# KiCad board panel.kicad_pcb (continued)
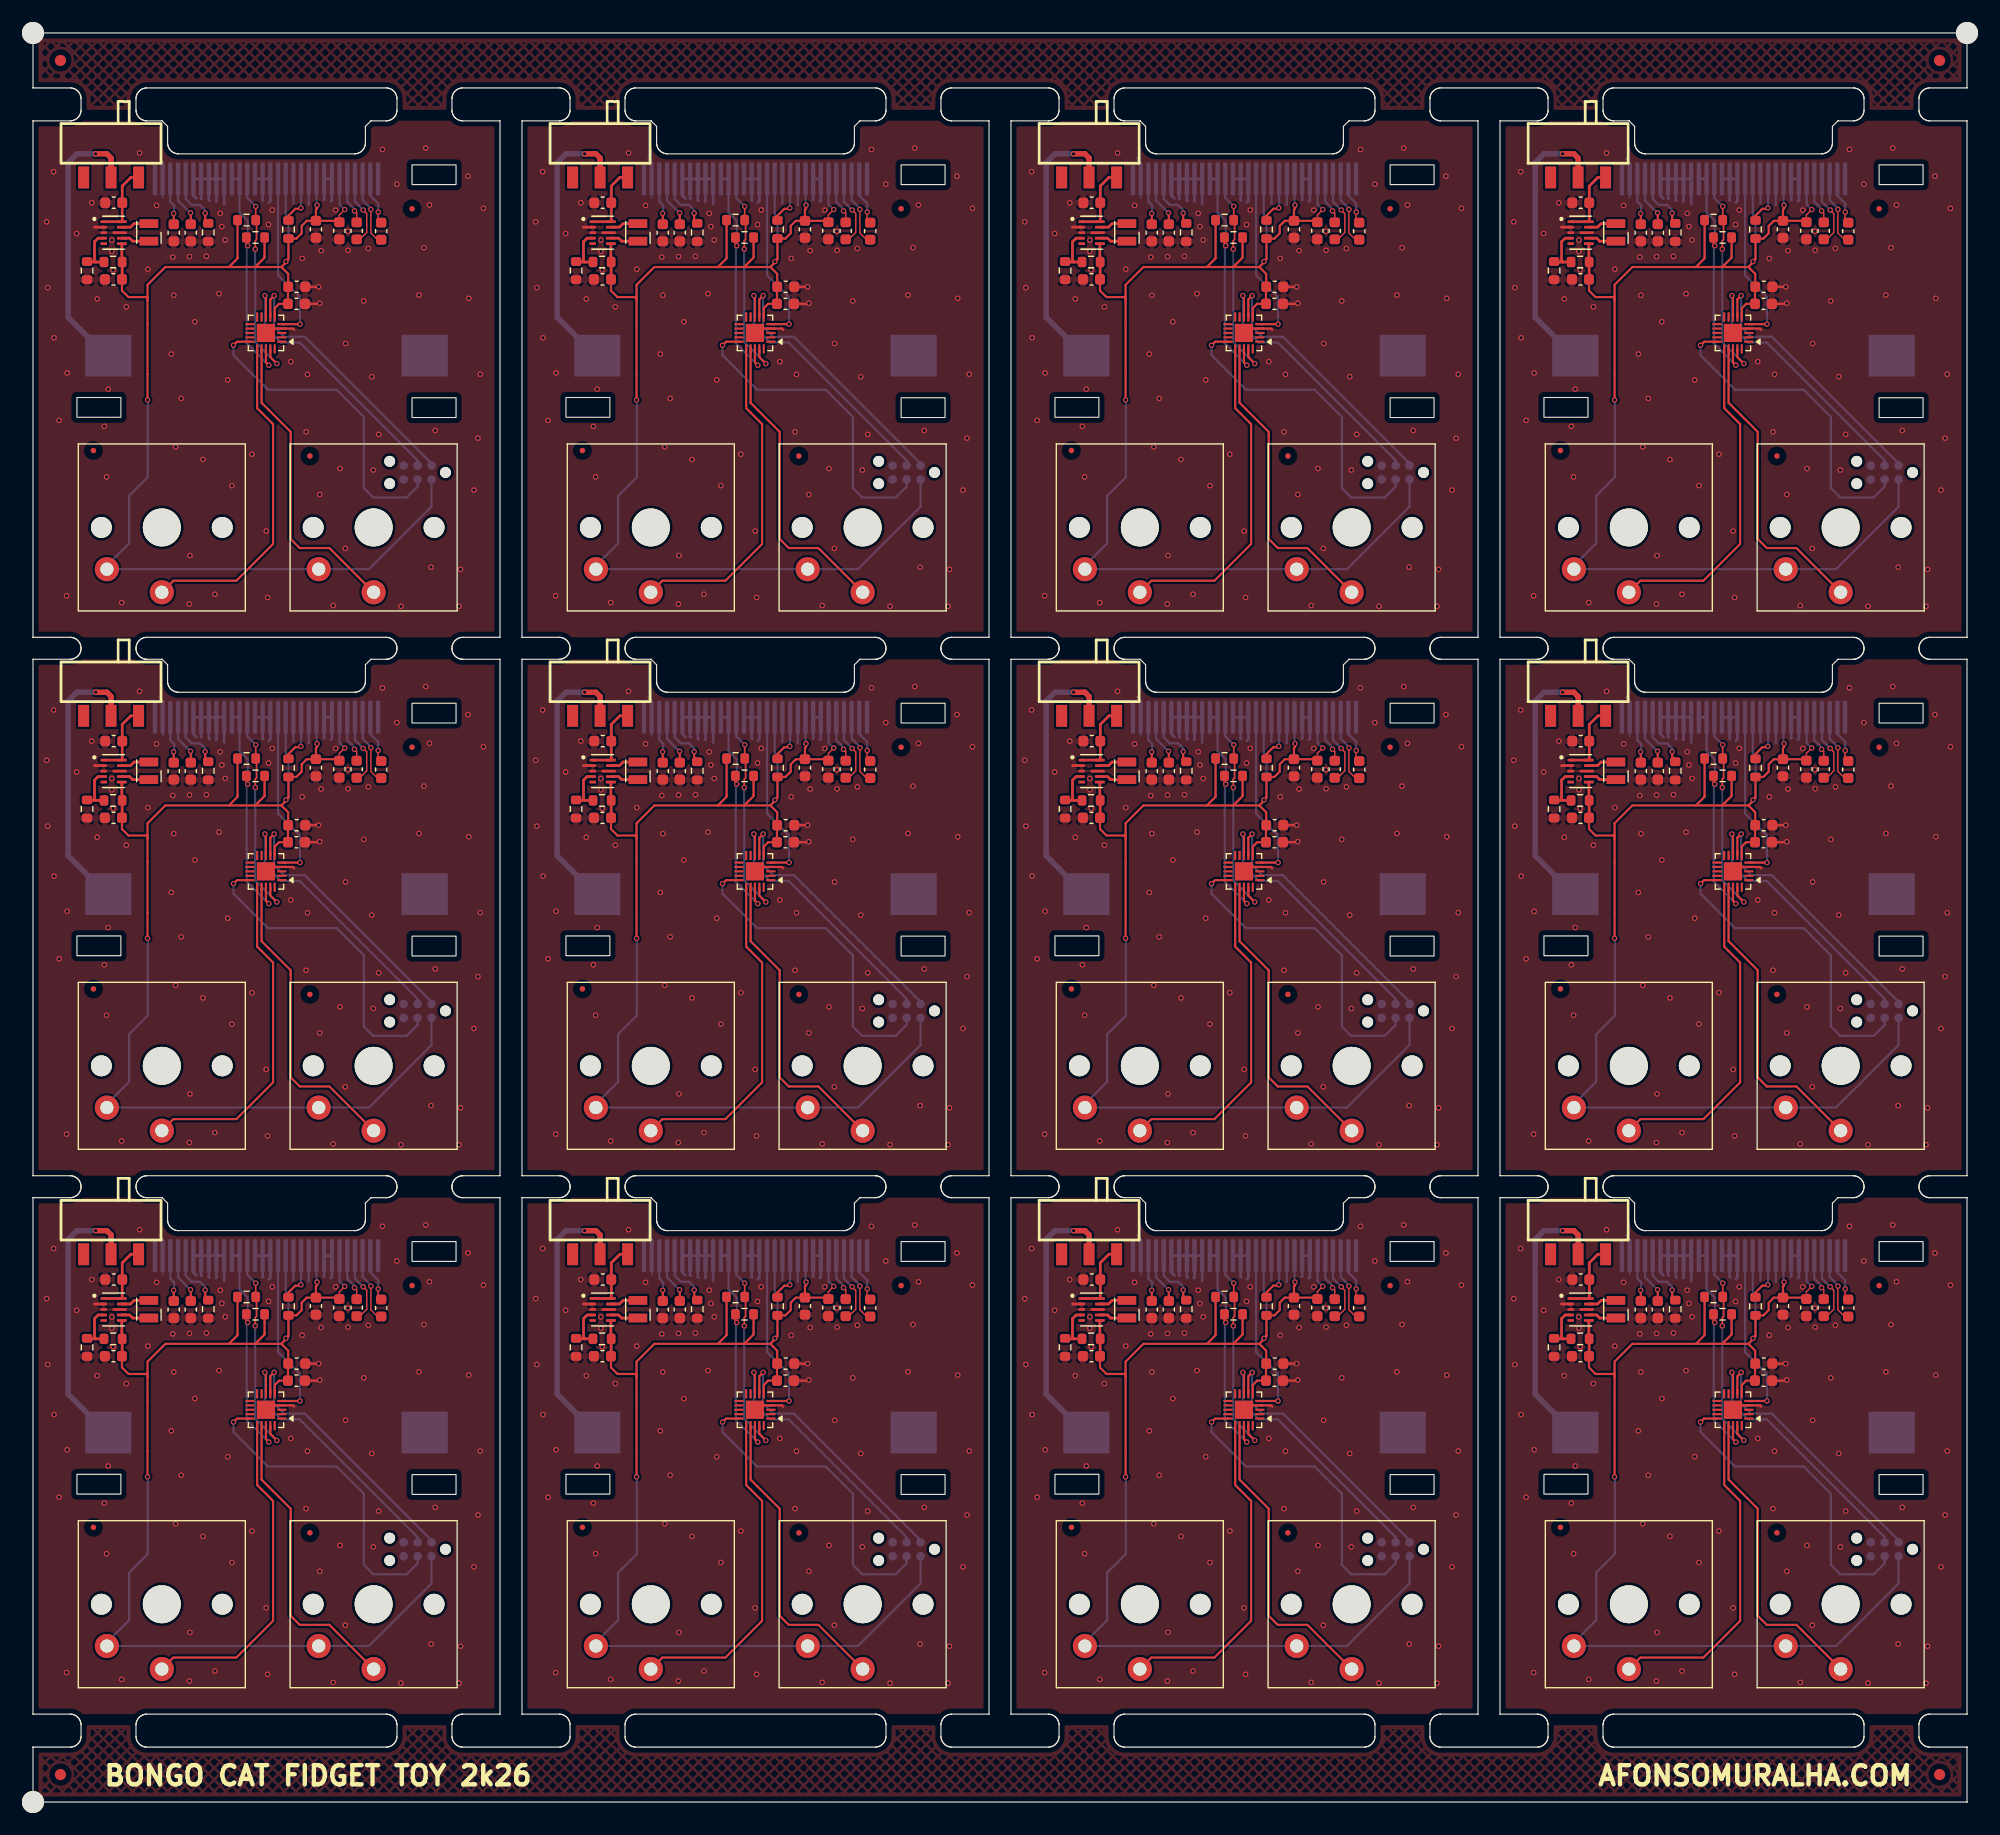
[diagram p0: board, top side]
## Routing (per net, layer and track width the routed paths; a pad name or vN(x,y) marks a point on that pad's centre or on a via; arc(x,y) is an arc through that point) (continued)
  Top w0.2: C12#9.2 147.86,144.61
  Bottom w0.2: J1#11.27 146.7,145.75 147.82,144.63 v1(147.84,144.63)
Board_3-Net-(J1-Pin_28): length 4.3
  Top w0.15: 146.31,144.57 v1(146.3,144.58)
  Top w0.2: C13#6.2 146.31,144.57
  Bottom w0.2: J1#11.28 146,145.65 146.35,145.3 146.35,144.63 v1(146.3,144.58)
Board_3-Net-(SW5-A): length 6.7
  Top w0.25: SW5#5.3 142.4,147.85 141.62,147.08 C1#8.1 141.62,143.86 U101#8.10 U101#8.1
Board_3-Net-(U101-FB): length 4.4
  Top w0.25: R4.1 138.47,140.16 139.22,140.16 ; 139.22,140.16 139.1,140.28 139.1,142 139.43,142.33 U101#8.4 ; 139.22,140.16 R6.2
Board_3-Net-(U101-L1): length 2.6
  Top w0.25: L102#11.1 142.7,143.65 142.38,143.33 U101#8.9
Board_3-Net-(U101-L2): length 2.6
  Top w0.25: U101#8.7 142.3,142.33 142.57,142.05 142.57,142.05 L102#11.2
Board_4-3V3: length 120.2
  Top w0.127: v1(28.37,95.93) 27.88,95.44 C10#6.2 27.88,94.54
  Top w0.2: 10.42,87.65 10.42,89.08 12.05,90.7 17.83,90.7 ; 17.83,90.7 18.61,91.49 R13#7.2 ; 17.83,90.7 20.22,90.7 ; 27.88,94.54 27.79,94.63 ; C11#2.2 24.92,94.91 24.45,94.44 24.45,93.77 23.97,93.29 R101#2.2 ; C11#2.2 25.75,94.89 ; C11#2.2 25.75,95.92 25.85,96.02 v1(25.85,96.33) ; C11#2.2 27.75,94.91 C10#6.2 ; 20.22,90.7 22.6,90.7 ; 20.22,90.7 21.08,91.55 R12#8.2 ; R101#2.2 23.22,93.27 ; R101#2.2 23.25,91.43 v1(23.02,91.2) 23.02,91.12 22.6,90.7 ; 22.6,90.7 23.22,90.08 C3.1 23.2,88.88 C4.1 22.4,87.35 22,86.95 U2#3.6 ; v1(10.42,78.6) 10.42,87.96 8.69,87.96 8.1,88.55 C2#7.1
  Top w0.25: 8.08,89.58 C2#7.1 8.11,89.59 R6#12.1 8.09,91.18 U101#3.6
  Bottom w0.2: v1(28.37,95.93) 27.9,96.4 J1#5.6 ; J1#5.9 25.8,96.38 v1(25.85,96.33) ; J4#11.1 36.27,68.9 30.57,63.2 SW2#8.2 SW1#8.2 6.72,63.53 8.75,65.55 8.75,69.88 10.45,71.58 10.45,78.58 v1(10.42,78.6) ; v1(23.02,91.2) 23.25,91.43 23.25,94.95 23,95.2 J1#5.13
Board_4-/BS1: length 4.5
  Top w0.2: v1(24.38,96.08) 24.3,96 23.88,96 23.25,95.38 R101#2.1
  Bottom w0.2: J1#5.11 24.4,96.45 24.38,96.43 v1(24.38,96.08)
Board_4-/OLED_RST: length 15.7
  Top w0.2: U2#3.5 v1(24.3,85.5)
  Bottom w0.2: v1(24.3,85.5) 24.3,87.95 22.3,89.95 J1#5.14
Board_4-/RST: length 29.5
  Top w0.2: U2#3.15 18.57,83.9 v1(18.25,83.58)
  Bottom w0.2: J4#11.3 35,70.72 34.01,69.73 30.96,69.73 30.11,70.58 30.11,77.06 27.64,79.53 21.39,79.53 18.25,82.67 v1(18.25,83.58)
Board_4-/SCL: length 19.8
  Top w0.127: v1(20.23,92.33) 20.15,92.41
  Top w0.152: v1(20.27,96.22) 20.27,95.06 20.34,94.98 20.34,93.21 20.23,93.09 v1(20.23,92.33)
  Top w0.2: v1(22.19,81.91) 21.6,82.5 U2#3.19
  Bottom w0.15: 20.2,92.45 20.22,92.43
  Bottom w0.2: v1(22.19,81.91) 20.23,83.87 v1(20.23,92.33) ; J1#5.18 19.5,96.99 v1(20.27,96.22)
Board_4-/SDA: length 21.4
  Top w0.127: 19.55,93.56 19.64,93.65
  Top w0.152: v1(19.54,92.64) 19.42,92.76 R12#8.1
  Top w0.2: U2#3.18 21.2,82.02 v1(21.46,81.76)
  Bottom w0.127: 19.52,92.63 19.5,92.65
  Bottom w0.2: v1(19.54,92.64) 19.45,92.55 19.45,83.77 v1(21.46,81.76) ; v1(19.54,92.64) 19.54,94.91 18.8,95.65 J1#5.19 ; v1(19.54,92.64) 19.54,92.59
  Bottom w0.25: J1#5.20 J1#5.19
Board_4-/SW1: length 30.3
  Top w0.2: SW1#8.1 12.78,62.15 18.51,62.15 21.85,65.49 21.85,76.4 20.4,77.85 U2#3.16
Board_4-/SW2: length 28
  Top w0.2: U2#3.17 20.8,78.35 23.45,75.7 23.45,65.95 24.28,65.13 26.97,65.13 SW2#8.1
Board_4-/SWCLK: length 24.2
  Top w0.2: U2#3.8 21.2,88 v1(21.1,88.1)
  Bottom w0.2: J4#11.4 35,73.1 24.28,83.83 22.58,83.83 21.1,85.3 v1(21.1,88.1)
Board_4-/SWDIO: length 24.6
  Top w0.2: U2#3.7 21.6,87.75 v1(21.95,88.1)
  Bottom w0.2: J4#11.2 36.27,72.82 24.74,84.35 22.85,84.35 21.95,85.25 v1(21.95,88.1)
Board_4-GND: length 38.1
  Top w0.2: C3.2 v1(26,88.9) ; C4.2 26.05,87.35 v1(26.1,87.4) ; U2#3.21 21.6,85.1 U2#3.4 23.65,85.1 23.77,84.98
  Top w0.25: 6.5,89.39 6.58,89.31 ; 5.6,94.33 U101#3.2
  Bottom w0.127: 28.51,92.22 28.6,92.31 ; 11.45,100.6 11.8,100.25 11.8,97
  Bottom w0.2: J1#5.12 23.7,96.53 23.67,96.5 ; 25.08,96.35 25.1,96.38 J1#5.10
  Bottom w0.25: 16.65,96.68 16.7,96.73 J1#5.22 ; 27.1,96.68 27.2,96.78 J1#5.7 J1#5.8 26.5,96.83 26.47,96.8 ; J1#5.23 J1#5.22 ; J1#5.23 16,96.8 16.08,96.73 ; J1#5.23 J1#5.24 ; J1#5.22 J1#5.21 17.4,96.43 ; J1#5.24 J1#5.25 14.6,97.2 14.88,96.93 ; J1#5.24 15.3,96.95 15.35,96.9 ; J1#5.16 20.9,96.8 20.95,96.75 ; J1#5.16 J1#5.15 21.6,96.73 21.45,96.58 ; J1#5.16 J1#5.17
  vias: v1(1.25,94.81) v1(1.35,88.82) v1(1.88,99.38) v1(1.92,84.26) v1(2.38,76.74) v1(3.11,81.06) v1(3.06,60.78) v1(3.97,93.75) v1(5.35,96.55) v1(5.85,87.8) v1(6.49,76.2) v1(6.7,71.6) v1(6.85,79.58) v1(7.17,93.15) v1(7.17,92.13) v1(7.3,90.43) v1(8.07,60.16) v1(8.5,87.08) v1(9.7,101.08) v1(10.45,90.5) v1(11.25,96.3) v1(12.59,82.78) v1(12.72,91.6) v1(12.82,88.13) v1(12.99,74.33) v1(13.49,78.74) v1(14.23,60.02) v1(14.25,91.65) v1(14.29,64.44) v1(14.73,85.72) v1(15.47,73.18) v1(15.78,91.68) v1(16.56,60.92) v1(16.93,88.27) v1(17.04,95.58) v1(17.19,94.38) v1(17.49,93.16) v1(17.72,80.43) v1(18.1,70.8) v1(19.92,73.66) v1(21.22,66.67) v1(21.35,60.62) v1(21.44,94.56) v1(21.77,95.89) v1(23.46,82.09) v1(24.5,91.48) v1(24.85,75.7) v1(24.98,80.93) v1(26.1,70) v1(26.22,92.19) v1(27.32,59.89) v1(27.55,95.88) v1(27.94,72.36) v1(28.42,65.09) v1(28.45,83.74) v1(28.65,93.95) v1(28.68,92.22) v1(30.1,87.61) v1(30.52,92.39) v1(30.83,80.72) v1(30.97,72.22) v1(31.46,75.47) v1(31.8,101.4) v1(33.11,98.24) v1(33.49,59.82) v1(35.12,88.15) v1(35.58,92.46) v1(35.74,101.52) v1(36.08,96.35) v1(36.23,63.38) v1(36.61,75.82) v1(38.77,59.82) v1(38.91,63.18) v1(39.58,98.97) v1(39.66,87.85) v1(40.12,70.4) v1(40.5,75.12) v1(40.7,80.94) v1(40.99,96.04)
Board_4-Net-(BT1-+): length 25.3
  Top w0.5: v1(5.7,101) 6.72,101 7.11,100.62 SW5#11.2
  Bottom w0.5: v1(5.7,101) 4,101 3.2,100.2 3.2,86.12 6.69,82.63 BT1#12.1
Board_4-Net-(J1-Pin_2): length 4.3
  Top w0.127: v1(31.42,95.7) 31.4,95.68 31.4,94.73
  Bottom w0.2: v1(31.42,95.7) 31.42,96.48 30.7,97.2 J1#5.2
Board_4-Net-(J1-Pin_3): length 6.4
  Top w0.127: v1(30.75,95.95) 30.75,93.79 31.36,93.19 C9#10.1
  Bottom w0.2: v1(30.75,95.95) 30.75,96.04 30,96.79 J1#5.3
Board_4-Net-(J1-Pin_4): length 6.5
  Top w0.127: C8#10.2 29.75,93.22 30.37,93.84 30.37,95.57 v1(30.05,95.89)
  Bottom w0.2: J1#5.4 29.3,96.65 30.05,95.9 v1(30.05,95.89)
Board_4-Net-(J1-Pin_5): length 4.3
  Top w0.127: C8#10.1 29.46,95.61 v1(29.26,95.81)
  Bottom w0.2: v1(29.26,95.81) 29.26,95.99 28.6,96.65 J1#5.5
Board_4-Net-(J1-Pin_26): length 5
  Top w0.15: 15.67,94.9 15.65,94.88
  Top w0.2: v1(15.67,95.6) 15.67,94.9
  Bottom w0.2: v1(15.67,95.6) 15.67,95.88 15.2,96.35 14.45,96.35 13.9,96.9 J1#5.26
Board_4-Net-(J1-Pin_27): length 4.6
  Top w0.15: 14.36,95.61 v1(14.34,95.63)
  Top w0.2: C12#4.2 14.36,95.61
  Bottom w0.2: v1(14.34,95.63) 14.32,95.63 13.2,96.75 J1#5.27
Board_4-Net-(J1-Pin_28): length 4.3
  Top w0.15: 12.81,95.57 v1(12.8,95.58)
  Top w0.2: C13#8.2 12.81,95.57
  Bottom w0.2: v1(12.8,95.58) 12.85,95.63 12.85,96.3 12.5,96.65 J1#5.28
Board_4-Net-(SW5-A): length 6.7
  Top w0.25: SW5#11.3 8.9,98.85 8.12,98.08 C1#5.1 8.12,94.86 U101#3.10 U101#3.1
Board_4-Net-(U101-FB): length 4.4
  Top w0.25: R6#12.2 5.72,91.16 ; 5.72,91.16 4.97,91.16 R4#9.1 ; 5.72,91.16 5.6,91.28 5.6,93 5.92,93.33 U101#3.4
Board_4-Net-(U101-L1): length 2.6
  Top w0.25: U101#3.9 8.88,94.33 9.2,94.65 L102#8.1
Board_4-Net-(U101-L2): length 2.6
  Top w0.25: U101#3.7 8.8,93.33 9.08,93.05 9.07,93.05 L102#8.2
Board_5-3V3: length 120.2
  Top w0.127: v1(72.87,95.93) 72.38,95.44 C10#2.2 72.38,94.54
  Top w0.2: R101#11.2 68.47,93.29 68.95,93.77 68.95,94.44 69.41,94.91 C11#11.2 ; R101#11.2 67.75,91.43 v1(67.52,91.2) 67.52,91.12 67.1,90.7 ; R101#11.2 67.72,93.27 ; v1(54.92,78.6) 54.92,87.96 53.19,87.96 52.6,88.55 C2#6.1 ; 54.92,87.65 54.92,89.08 56.55,90.7 62.33,90.7 ; C11#11.2 70.25,94.89 ; C11#11.2 72.25,94.91 C10#2.2 ; C11#11.2 70.25,95.92 70.35,96.02 v1(70.35,96.33) ; 64.72,90.7 67.1,90.7 ; 64.72,90.7 62.33,90.7 ; 64.72,90.7 65.58,91.55 R12#10.2 ; 67.1,90.7 67.72,90.08 C3#11.1 67.7,88.88 C4#11.1 66.9,87.35 66.5,86.95 U2#12.6 ; 72.38,94.54 72.29,94.63 ; 62.33,90.7 63.11,91.49 R13#6.2
  Top w0.25: 52.58,89.58 C2#6.1 52.61,89.59 R6#5.1 52.59,91.18 U101#6.6
  Bottom w0.2: J1#2.6 72.4,96.4 v1(72.87,95.93) ; v1(54.92,78.6) 54.95,78.58 54.95,71.58 53.25,69.88 53.25,65.55 51.22,63.53 SW1#5.2 SW2.2 75.07,63.2 80.77,68.9 J4#3.1 ; v1(70.35,96.33) 70.3,96.38 J1#2.9 ; J1#2.13 67.5,95.2 67.75,94.95 67.75,91.43 v1(67.52,91.2)
Board_5-/BS1: length 4.5
  Top w0.2: v1(68.88,96.08) 68.8,96 68.38,96 67.75,95.38 R101#11.1
  Bottom w0.2: v1(68.88,96.08) 68.88,96.43 68.9,96.45 J1#2.11
Board_5-/OLED_RST: length 15.7
  Top w0.2: U2#12.5 v1(68.8,85.5)
  Bottom w0.2: v1(68.8,85.5) 68.8,87.95 66.8,89.95 J1#2.14
Board_5-/RST: length 29.5
  Top w0.2: U2#12.15 63.07,83.9 v1(62.75,83.58)
  Bottom w0.2: v1(62.75,83.58) 62.75,82.67 65.89,79.53 72.14,79.53 74.61,77.06 74.61,70.58 75.46,69.73 78.51,69.73 79.5,70.72 J4#3.3
Board_5-/SCL: length 19.8
  Top w0.127: v1(64.73,92.33) 64.65,92.41
  Top w0.152: v1(64.73,92.33) 64.73,93.09 64.84,93.21 64.84,94.98 64.77,95.06 v1(64.77,96.22)
  Top w0.2: U2#12.19 66.1,82.5 v1(66.69,81.91)
  Bottom w0.15: 64.7,92.45 64.72,92.43
  Bottom w0.2: v1(66.69,81.91) 64.73,83.87 v1(64.73,92.33) ; J1#2.18 64,96.99 v1(64.77,96.22)
Board_5-/SDA: length 21.4
  Top w0.127: 64.05,93.56 64.14,93.65
  Top w0.152: R12#10.1 63.92,92.76 v1(64.04,92.64)
  Top w0.2: v1(65.96,81.76) 65.7,82.02 U2#12.18
  Bottom w0.127: 64.02,92.63 64,92.65
  Bottom w0.2: 64.04,92.59 v1(64.04,92.64) ; v1(64.04,92.64) 64.04,94.91 63.3,95.65 J1#2.19 ; v1(64.04,92.64) 63.95,92.55 63.95,83.77 v1(65.96,81.76)
  Bottom w0.25: J1#2.20 J1#2.19
Board_5-/SW1: length 30.3
  Top w0.2: U2#12.16 64.9,77.85 66.35,76.4 66.35,65.49 63.01,62.15 57.28,62.15 SW1#5.1
Board_5-/SW2: length 28
  Top w0.2: U2#12.17 65.3,78.35 67.95,75.7 67.95,65.95 68.78,65.13 71.47,65.13 SW2.1
Board_5-/SWCLK: length 24.2
  Top w0.2: U2#12.8 65.7,88 v1(65.6,88.1)
  Bottom w0.2: v1(65.6,88.1) 65.6,85.3 67.08,83.83 68.78,83.83 79.5,73.1 J4#3.4
Board_5-/SWDIO: length 24.6
  Top w0.2: U2#12.7 66.1,87.75 v1(66.45,88.1)
  Bottom w0.2: J4#3.2 80.77,72.82 69.24,84.35 67.35,84.35 66.45,85.25 v1(66.45,88.1)
Board_5-GND: length 38.1
  Top w0.2: C3#11.2 v1(70.5,88.9) ; C4#11.2 70.55,87.35 v1(70.6,87.4) ; U2#12.21 66.1,85.1 U2#12.4 68.15,85.1 68.27,84.98
  Top w0.25: 51,89.39 51.08,89.31 ; 50.1,94.33 U101#6.2
  Bottom w0.127: 56.3,97 56.3,100.25 55.95,100.6 ; 73.01,92.22 73.1,92.31
  Bottom w0.2: 68.18,96.5 68.2,96.53 J1#2.12 ; 69.57,96.35 69.6,96.38 J1#2.10
  Bottom w0.25: 71.6,96.68 71.7,96.78 J1#2.7 J1#2.8 71,96.83 70.97,96.8 ; J1#2.22 61.2,96.73 61.15,96.68 ; J1#2.22 J1#2.21 61.9,96.43 ; J1#2.22 J1#2.23 ; 59.85,96.9 59.8,96.95 J1#2.24 ; J1#2.24 J1#2.25 59.1,97.2 59.38,96.93 ; J1#2.24 J1#2.23 ; 65.95,96.58 66.1,96.73 J1#2.15 J1#2.16 ; J1#2.16 65.4,96.8 65.45,96.75 ; J1#2.16 J1#2.17 ; J1#2.23 60.5,96.8 60.58,96.73
  vias: v1(45.75,94.81) v1(45.85,88.82) v1(46.38,99.38) v1(46.42,84.26) v1(46.88,76.74) v1(47.61,81.06) v1(47.56,60.78) v1(48.47,93.75) v1(49.85,96.55) v1(50.35,87.8) v1(50.99,76.2) v1(51.2,71.6) v1(51.35,79.58) v1(51.67,93.15) v1(51.67,92.13) v1(51.8,90.43) v1(52.57,60.16) v1(53,87.08) v1(54.2,101.08) v1(54.95,90.5) v1(55.75,96.3) v1(57.09,82.78) v1(57.22,91.6) v1(57.32,88.13) v1(57.49,74.33) v1(57.99,78.74) v1(58.75,91.65) v1(58.73,60.02) v1(58.79,64.44) v1(59.23,85.72) v1(59.97,73.18) v1(60.28,91.68) v1(61.06,60.92) v1(61.43,88.27) v1(61.54,95.58) v1(61.69,94.38) v1(61.99,93.16) v1(62.22,80.43) v1(62.6,70.8) v1(64.42,73.66) v1(65.72,66.67) v1(65.85,60.62) v1(65.94,94.56) v1(66.27,95.89) v1(67.96,82.09) v1(69,91.48) v1(69.35,75.7) v1(69.48,80.93) v1(70.6,70) v1(70.72,92.19) v1(71.82,59.89) v1(72.05,95.88) v1(72.44,72.36) v1(72.95,83.74) v1(72.92,65.09) v1(73.15,93.95) v1(73.18,92.22) v1(74.6,87.61) v1(75.02,92.39) v1(75.33,80.72) v1(75.47,72.22) v1(75.96,75.47) v1(76.3,101.4) v1(77.61,98.24) v1(77.99,59.82) v1(79.62,88.15) v1(80.08,92.46) v1(80.24,101.52) v1(80.58,96.35) v1(80.73,63.38) v1(81.11,75.82) v1(83.27,59.82) v1(83.41,63.18) v1(84.08,98.97) v1(84.16,87.85) v1(84.62,70.4) v1(85,75.12) v1(85.2,80.94) v1(85.49,96.04)
Board_5-Net-(BT1-+): length 25.3
  Top w0.5: v1(50.2,101) 51.22,101 51.61,100.62 SW5#8.2
  Bottom w0.5: v1(50.2,101) 48.5,101 47.7,100.2 47.7,86.12 51.19,82.63 BT1.1
Board_5-Net-(J1-Pin_2): length 4.3
  Top w0.127: v1(75.92,95.7) 75.9,95.68 75.9,94.73
  Bottom w0.2: J1#2.2 75.2,97.2 75.92,96.48 v1(75.92,95.7)
Board_5-Net-(J1-Pin_3): length 6.4
  Top w0.127: v1(75.25,95.95) 75.25,93.79 75.85,93.19 C9#6.1
  Bottom w0.2: J1#2.3 74.5,96.79 75.25,96.04 v1(75.25,95.95)
Board_5-Net-(J1-Pin_4): length 6.5
  Top w0.127: v1(74.55,95.89) 74.87,95.57 74.87,93.84 74.25,93.22 C8#9.2
  Bottom w0.2: J1#2.4 73.8,96.65 74.55,95.9 v1(74.55,95.89)
Board_5-Net-(J1-Pin_5): length 4.3
  Top w0.127: v1(73.76,95.81) 73.96,95.61 C8#9.1
  Bottom w0.2: J1#2.5 73.1,96.65 73.76,95.99 v1(73.76,95.81)
Board_5-Net-(J1-Pin_26): length 5
  Top w0.15: 60.17,94.9 60.15,94.88
  Top w0.2: v1(60.17,95.6) 60.17,94.9
  Bottom w0.2: v1(60.17,95.6) 60.17,95.88 59.7,96.35 58.95,96.35 58.4,96.9 J1#2.26
Board_5-Net-(J1-Pin_27): length 4.6
  Top w0.15: 58.86,95.61 v1(58.84,95.63)
  Top w0.2: C12#2.2 58.86,95.61
  Bottom w0.2: J1#2.27 57.7,96.75 58.82,95.63 v1(58.84,95.63)
Board_5-Net-(J1-Pin_28): length 4.3
  Top w0.15: 57.31,95.57 v1(57.3,95.58)
  Top w0.2: C13#10.2 57.31,95.57
  Bottom w0.2: v1(57.3,95.58) 57.35,95.63 57.35,96.3 57,96.65 J1#2.28
Board_5-Net-(SW5-A): length 6.7
  Top w0.25: U101#6.1 U101#6.10 52.62,94.86 C1.1 52.62,98.08 53.4,98.85 SW5#8.3
Board_5-Net-(U101-FB): length 4.4
  Top w0.25: 50.22,91.16 50.1,91.28 50.1,93 50.42,93.33 U101#6.4 ; 50.22,91.16 49.47,91.16 R4#3.1 ; 50.22,91.16 R6#5.2
Board_5-Net-(U101-L1): length 2.6
  Top w0.25: U101#6.9 53.38,94.33 53.7,94.65 L102#7.1
Board_5-Net-(U101-L2): length 2.6
  Top w0.25: U101#6.7 53.3,93.33 53.58,93.05 53.57,93.05 L102#7.2
Board_6-3V3: length 120.2
  Top w0.127: 116.88,94.54 C10.2 116.88,95.44 v1(117.37,95.93)
  Top w0.2: 106.82,90.7 109.22,90.7 ; 106.82,90.7 101.05,90.7 99.43,89.08 99.43,87.65 ; 106.82,90.7 107.62,91.49 R13#2.2 ; 109.22,90.7 111.6,90.7 ; 109.22,90.7 110.07,91.55 R12.2 ; 111.6,90.7 112.02,91.12 v1(112.02,91.2) 112.25,91.43 R101#4.2 ; 111.6,90.7 112.22,90.08 C3#2.1 112.2,88.88 C4#3.1 111.4,87.35 111,86.95 U2#7.6 ; C10.2 116.75,94.91 C11#10.2 ; C11#10.2 114.75,94.89 ; C11#10.2 114.75,95.92 114.85,96.02 v1(114.85,96.33) ; C11#10.2 113.91,94.91 113.45,94.44 113.45,93.77 112.97,93.29 R101#4.2 ; v1(99.43,78.6) 99.43,87.96 97.69,87.96 97.1,88.55 C2#2.1 ; R101#4.2 112.22,93.27 ; 116.88,94.54 116.79,94.63
  Top w0.25: U101.6 97.09,91.18 97.12,91.16 97.12,89.59 C2#2.1 97.07,89.58
  Bottom w0.2: J4#6.1 125.27,68.9 119.57,63.2 SW2#6.2 SW1#6.2 95.72,63.53 97.75,65.55 97.75,69.88 99.45,71.58 99.45,78.58 v1(99.43,78.6) ; v1(112.02,91.2) 112.25,91.43 112.25,94.95 112,95.2 J1.13 ; J1.6 116.9,96.4 v1(117.37,95.93) ; J1.9 114.8,96.38 v1(114.85,96.33)
Board_6-/BS1: length 4.5
  Top w0.2: R101#4.1 112.25,95.38 112.88,96 113.3,96 v1(113.38,96.08)
  Bottom w0.2: J1.11 113.4,96.45 113.38,96.43 v1(113.38,96.08)
Board_6-/OLED_RST: length 15.7
  Top w0.2: U2#7.5 v1(113.3,85.5)
  Bottom w0.2: v1(113.3,85.5) 113.3,87.95 111.3,89.95 J1.14
Board_6-/RST: length 29.5
  Top w0.2: U2#7.15 107.57,83.9 v1(107.25,83.58)
  Bottom w0.2: v1(107.25,83.58) 107.25,82.67 110.39,79.53 116.64,79.53 119.11,77.06 119.11,70.58 119.96,69.73 123.01,69.73 124,70.72 J4#6.3
Board_6-/SCL: length 19.8
  Top w0.127: v1(109.23,92.33) 109.15,92.41
  Top w0.152: v1(109.23,92.33) 109.23,93.09 109.34,93.21 109.34,94.98 109.27,95.06 v1(109.27,96.22)
  Top w0.2: v1(111.19,81.91) 110.6,82.5 U2#7.19
  Bottom w0.15: 109.2,92.45 109.22,92.43
  Bottom w0.2: v1(109.23,92.33) 109.23,83.87 v1(111.19,81.91) ; v1(109.27,96.22) 108.5,96.99 J1.18
Board_6-/SDA: length 21.4
  Top w0.127: 108.55,93.56 108.64,93.65
  Top w0.152: R12.1 108.43,92.76 v1(108.54,92.64)
  Top w0.2: v1(110.46,81.76) 110.2,82.02 U2#7.18
  Bottom w0.127: 108.52,92.63 108.5,92.65
  Bottom w0.2: 108.54,92.59 v1(108.54,92.64) ; v1(108.54,92.64) 108.45,92.55 108.45,83.77 v1(110.46,81.76) ; v1(108.54,92.64) 108.54,94.91 107.8,95.65 J1.19
  Bottom w0.25: J1.20 J1.19
Board_6-/SW1: length 30.3
  Top w0.2: U2#7.16 109.4,77.85 110.85,76.4 110.85,65.49 107.51,62.15 101.78,62.15 SW1#6.1
Board_6-/SW2: length 28
  Top w0.2: U2#7.17 109.8,78.35 112.45,75.7 112.45,65.95 113.28,65.13 115.97,65.13 SW2#6.1
Board_6-/SWCLK: length 24.2
  Top w0.2: v1(110.1,88.1) 110.2,88 U2#7.8
  Bottom w0.2: v1(110.1,88.1) 110.1,85.3 111.57,83.83 113.28,83.83 124,73.1 J4#6.4
Board_6-/SWDIO: length 24.6
  Top w0.2: v1(110.95,88.1) 110.6,87.75 U2#7.7
  Bottom w0.2: J4#6.2 125.27,72.82 113.74,84.35 111.85,84.35 110.95,85.25 v1(110.95,88.1)
Board_6-GND: length 38.1
  Top w0.2: 112.77,84.98 112.65,85.1 U2#7.4 110.6,85.1 U2#7.21 ; v1(115.1,87.4) 115.05,87.35 C4#3.2 ; C3#2.2 v1(115,88.9)
  Top w0.25: 95.5,89.39 95.58,89.31 ; 94.6,94.33 U101.2
  Bottom w0.127: 100.45,100.6 100.8,100.25 100.8,97 ; 117.51,92.22 117.6,92.31
  Bottom w0.2: 114.07,96.35 114.1,96.38 J1.10 ; J1.12 112.7,96.53 112.68,96.5
  Bottom w0.25: 109.95,96.75 109.9,96.8 J1.16 ; 105.07,96.73 105,96.8 J1.23 ; 105.65,96.68 105.7,96.73 J1.22 ; 110.45,96.58 110.6,96.73 J1.15 J1.16 ; 106.4,96.43 J1.21 J1.22 ; J1.17 J1.16 ; 116.1,96.68 116.2,96.78 J1.7 J1.8 115.5,96.83 115.47,96.8 ; J1.22 J1.23 ; 103.88,96.93 103.6,97.2 J1.25 J1.24 ; J1.24 104.3,96.95 104.35,96.9 ; J1.24 J1.23
  vias: v1(90.25,94.81) v1(90.35,88.82) v1(90.88,99.38) v1(90.92,84.26) v1(91.38,76.74) v1(92.11,81.06) v1(92.06,60.78) v1(92.97,93.75) v1(94.35,96.55) v1(94.85,87.8) v1(95.49,76.2) v1(95.7,71.6) v1(95.85,79.58) v1(96.18,93.15) v1(96.18,92.13) v1(96.3,90.43) v1(97.07,60.16) v1(97.5,87.08) v1(98.7,101.08) v1(99.45,90.5) v1(100.25,96.3) v1(101.59,82.78) v1(101.72,91.6) v1(101.82,88.13) v1(101.99,74.33) v1(102.49,78.74) v1(103.23,60.02) v1(103.25,91.65) v1(103.29,64.44) v1(103.73,85.72) v1(104.47,73.18) v1(104.78,91.68) v1(105.56,60.92) v1(105.93,88.27) v1(106.04,95.58) v1(106.19,94.38) v1(106.49,93.16) v1(106.72,80.43) v1(107.1,70.8) v1(108.92,73.66) v1(110.22,66.67) v1(110.35,60.62) v1(110.44,94.56) v1(110.77,95.89) v1(112.46,82.09) v1(113.5,91.48) v1(113.85,75.7) v1(113.98,80.93) v1(115.1,70) v1(115.22,92.19) v1(116.32,59.89) v1(116.55,95.88) v1(116.94,72.36) v1(117.45,83.74) v1(117.42,65.09) v1(117.65,93.95) v1(117.68,92.22) v1(119.1,87.61) v1(119.52,92.39) v1(119.83,80.72) v1(119.97,72.22) v1(120.46,75.47) v1(120.8,101.4) v1(122.11,98.24) v1(122.49,59.82) v1(124.12,88.15) v1(124.58,92.46) v1(124.74,101.52) v1(125.08,96.35) v1(125.23,63.38) v1(125.61,75.82) v1(127.77,59.82) v1(127.91,63.18) v1(128.58,98.97) v1(128.66,87.85) v1(129.12,70.4) v1(129.5,75.12) v1(129.7,80.94) v1(129.99,96.04)
Board_6-Net-(BT1-+): length 25.3
  Top w0.5: v1(94.7,101) 95.72,101 96.11,100.62 SW5#6.2
  Bottom w0.5: BT1#5.1 95.69,82.63 92.2,86.12 92.2,100.2 93,101 v1(94.7,101)
Board_6-Net-(J1-Pin_2): length 4.3
  Top w0.127: 120.4,94.73 120.4,95.68 v1(120.42,95.7)
  Bottom w0.2: v1(120.42,95.7) 120.42,96.48 119.7,97.2 J1.2
Board_6-Net-(J1-Pin_3): length 6.4
  Top w0.127: v1(119.75,95.95) 119.75,93.79 120.35,93.19 C9#11.1
  Bottom w0.2: J1.3 119,96.79 119.75,96.04 v1(119.75,95.95)
Board_6-Net-(J1-Pin_4): length 6.5
  Top w0.127: C8#4.2 118.75,93.22 119.37,93.84 119.37,95.57 v1(119.05,95.89)
  Bottom w0.2: J1.4 118.3,96.65 119.05,95.9 v1(119.05,95.89)
Board_6-Net-(J1-Pin_5): length 4.3
  Top w0.127: v1(118.26,95.81) 118.46,95.61 C8#4.1
  Bottom w0.2: v1(118.26,95.81) 118.26,95.99 117.6,96.65 J1.5
Board_6-Net-(J1-Pin_26): length 5
  Top w0.15: 104.67,94.9 104.65,94.88
  Top w0.2: v1(104.67,95.6) 104.67,94.9
  Bottom w0.2: v1(104.67,95.6) 104.67,95.88 104.2,96.35 103.45,96.35 102.9,96.9 J1.26
Board_6-Net-(J1-Pin_27): length 4.6
  Top w0.15: 103.36,95.61 v1(103.34,95.63)
  Top w0.2: C12#5.2 103.36,95.61
  Bottom w0.2: J1.27 102.2,96.75 103.32,95.63 v1(103.34,95.63)
Board_6-Net-(J1-Pin_28): length 4.3
  Top w0.15: 101.81,95.57 v1(101.8,95.58)
  Top w0.2: C13#9.2 101.81,95.57
  Bottom w0.2: v1(101.8,95.58) 101.85,95.63 101.85,96.3 101.5,96.65 J1.28
Board_6-Net-(SW5-A): length 6.7
  Top w0.25: SW5#6.3 97.9,98.85 97.12,98.08 C1#4.1 97.12,94.86 U101.10 U101.1
Board_6-Net-(U101-FB): length 4.4
  Top w0.25: U101.4 94.93,93.33 94.6,93 94.6,91.28 94.72,91.16 ; R6#2.2 94.72,91.16 ; 94.72,91.16 93.97,91.16 R4#4.1
Board_6-Net-(U101-L1): length 2.6
  Top w0.25: U101.9 97.88,94.33 98.2,94.65 L102#5.1
Board_6-Net-(U101-L2): length 2.6
  Top w0.25: U101.7 97.8,93.33 98.07,93.05 98.07,93.05 L102#5.2
Board_7-3V3: length 120.2
  Top w0.127: 161.38,94.54 C10#10.2 161.38,95.44 v1(161.87,95.93)
  Top w0.2: 143.93,87.65 143.93,89.08 145.55,90.7 151.32,90.7 ; C11#6.2 161.25,94.91 C10#10.2 ; C11#6.2 159.25,94.89 ; C11#6.2 158.41,94.91 157.95,94.44 157.95,93.77 157.47,93.29 R101#5.2 ; C11#6.2 159.25,95.92 159.35,96.02 v1(159.35,96.33) ; R101#5.2 156.75,91.43 v1(156.52,91.2) 156.52,91.12 156.1,90.7 ; R101#5.2 156.72,93.27 ; 156.1,90.7 153.72,90.7 ; 156.1,90.7 156.72,90.08 C3#5.1 156.7,88.88 C4#4.1 155.9,87.35 155.5,86.95 U2.6 ; C2#4.1 141.6,88.55 142.19,87.96 143.93,87.96 v1(143.93,78.6) ; 151.32,90.7 152.12,91.49 R13#12.2 ; 151.32,90.7 153.72,90.7 ; 161.38,94.54 161.29,94.63 ; R12#9.2 154.57,91.55 153.72,90.7
  Top w0.25: U101#11.6 141.59,91.18 141.62,91.16 141.62,89.59 C2#4.1 141.57,89.58
  Bottom w0.2: v1(161.87,95.93) 161.4,96.4 J1#7.6 ; v1(156.52,91.2) 156.75,91.43 156.75,94.95 156.5,95.2 J1#7.13 ; J4.1 169.77,68.9 164.07,63.2 SW2#3.2 SW1#11.2 140.22,63.53 142.25,65.55 142.25,69.88 143.95,71.58 143.95,78.58 v1(143.93,78.6) ; v1(159.35,96.33) 159.3,96.38 J1#7.9
Board_7-/BS1: length 4.5
  Top w0.2: R101#5.1 156.75,95.38 157.38,96 157.8,96 v1(157.88,96.08)
  Bottom w0.2: v1(157.88,96.08) 157.88,96.43 157.9,96.45 J1#7.11
Board_7-/OLED_RST: length 15.7
  Top w0.2: U2.5 v1(157.8,85.5)
  Bottom w0.2: v1(157.8,85.5) 157.8,87.95 155.8,89.95 J1#7.14
Board_7-/RST: length 29.5
  Top w0.2: v1(151.75,83.58) 152.07,83.9 U2.15
  Bottom w0.2: v1(151.75,83.58) 151.75,82.67 154.89,79.53 161.14,79.53 163.61,77.06 163.61,70.58 164.46,69.73 167.51,69.73 168.5,70.72 J4.3
Board_7-/SCL: length 19.8
  Top w0.127: v1(153.73,92.33) 153.65,92.41
  Top w0.152: v1(153.77,96.22) 153.77,95.06 153.84,94.98 153.84,93.21 153.73,93.09 v1(153.73,92.33)
  Top w0.2: v1(155.69,81.91) 155.1,82.5 U2.19
  Bottom w0.15: 153.7,92.45 153.72,92.43
  Bottom w0.2: J1#7.18 153,96.99 v1(153.77,96.22) ; v1(155.69,81.91) 153.73,83.87 v1(153.73,92.33)
Board_7-/SDA: length 21.4
  Top w0.127: 153.05,93.56 153.14,93.65
  Top w0.152: v1(153.04,92.64) 152.93,92.76 R12#9.1
  Top w0.2: v1(154.96,81.76) 154.7,82.02 U2.18
  Bottom w0.127: 153.02,92.63 153,92.65
  Bottom w0.2: v1(153.04,92.64) 152.95,92.55 152.95,83.77 v1(154.96,81.76) ; v1(153.04,92.64) 153.04,94.91 152.3,95.65 J1#7.19 ; v1(153.04,92.64) 153.04,92.59
  Bottom w0.25: J1#7.20 J1#7.19
Board_7-/SW1: length 30.3
  Top w0.2: SW1#11.1 146.28,62.15 152.01,62.15 155.35,65.49 155.35,76.4 153.9,77.85 U2.16
Board_7-/SW2: length 28
  Top w0.2: U2.17 154.3,78.35 156.95,75.7 156.95,65.95 157.78,65.13 160.47,65.13 SW2#3.1
Board_7-/SWCLK: length 24.2
  Top w0.2: v1(154.6,88.1) 154.7,88 U2.8
  Bottom w0.2: v1(154.6,88.1) 154.6,85.3 156.07,83.83 157.78,83.83 168.5,73.1 J4.4
Board_7-/SWDIO: length 24.6
  Top w0.2: U2.7 155.1,87.75 v1(155.45,88.1)
  Bottom w0.2: J4.2 169.77,72.82 158.24,84.35 156.35,84.35 155.45,85.25 v1(155.45,88.1)
Board_7-GND: length 38.1
  Top w0.2: U2.21 155.1,85.1 U2.4 157.15,85.1 157.27,84.98 ; C3#5.2 v1(159.5,88.9) ; C4#4.2 159.55,87.35 v1(159.6,87.4)
  Top w0.25: 139.1,94.33 U101#11.2 ; 140,89.39 140.08,89.31
  Bottom w0.127: 144.95,100.6 145.3,100.25 145.3,97 ; 162.01,92.22 162.1,92.31
  Bottom w0.2: J1#7.10 158.6,96.38 158.57,96.35 ; 157.18,96.5 157.2,96.53 J1#7.12
  Bottom w0.25: J1#7.23 J1#7.22 ; J1#7.23 J1#7.24 ; J1#7.23 149.5,96.8 149.57,96.73 ; J1#7.22 150.2,96.73 150.15,96.68 ; J1#7.22 J1#7.21 150.9,96.43 ; J1#7.24 148.8,96.95 148.85,96.9 ; J1#7.24 J1#7.25 148.1,97.2 148.38,96.93 ; 154.45,96.75 154.4,96.8 J1#7.16 ; J1#7.16 J1#7.15 155.1,96.73 154.95,96.58 ; J1#7.16 J1#7.17 ; 159.97,96.8 160,96.83 J1#7.8 J1#7.7 160.7,96.78 160.6,96.68
  vias: v1(134.75,94.81) v1(134.85,88.82) v1(135.38,99.38) v1(135.42,84.26) v1(135.88,76.74) v1(136.61,81.06) v1(136.56,60.78) v1(137.47,93.75) v1(138.85,96.55) v1(139.35,87.8) v1(139.99,76.2) v1(140.2,71.6) v1(140.35,79.58) v1(140.68,93.15) v1(140.68,92.13) v1(140.8,90.43) v1(141.57,60.16) v1(142,87.08) v1(143.2,101.08) v1(143.95,90.5) v1(144.75,96.3) v1(146.09,82.78) v1(146.22,91.6) v1(146.32,88.13) v1(146.49,74.33) v1(146.99,78.74) v1(147.75,91.65) v1(147.73,60.02) v1(147.79,64.44) v1(148.23,85.72) v1(148.97,73.18) v1(149.28,91.68) v1(150.06,60.92) v1(150.43,88.27) v1(150.54,95.58) v1(150.69,94.38) v1(150.99,93.16) v1(151.22,80.43) v1(151.6,70.8) v1(153.42,73.66) v1(154.72,66.67) v1(154.85,60.62) v1(154.94,94.56) v1(155.27,95.89) v1(156.96,82.09) v1(158,91.48) v1(158.35,75.7) v1(158.48,80.93) v1(159.6,70) v1(159.72,92.19) v1(160.82,59.89) v1(161.05,95.88) v1(161.44,72.36) v1(161.95,83.74) v1(161.92,65.09) v1(162.15,93.95) v1(162.18,92.22) v1(163.6,87.61) v1(164.02,92.39) v1(164.33,80.72) v1(164.47,72.22) v1(164.96,75.47) v1(165.3,101.4) v1(166.61,98.24) v1(166.99,59.82) v1(168.62,88.15) v1(169.08,92.46) v1(169.24,101.52) v1(169.58,96.35) v1(169.73,63.38) v1(170.11,75.82) v1(172.27,59.82) v1(172.41,63.18) v1(173.08,98.97) v1(173.16,87.85) v1(173.62,70.4) v1(174,75.12) v1(174.2,80.94) v1(174.49,96.04)
